# Altium PCB HSADDAModule.PcbDoc (part 4 of 5)
Units mm, origin at the board's own origin, x right, y up, seen from the top; angles counter-clockwise.
Board outline 70 x 95 mm, 6 copper layers (L1 (Sig), L2 (GND), L3 (Sig), L4 (GND), L5 (PWR), L6 (Sig)), stack 1.538 mm thick; 134 components, 217 nets, 999 pads, 792 vias.
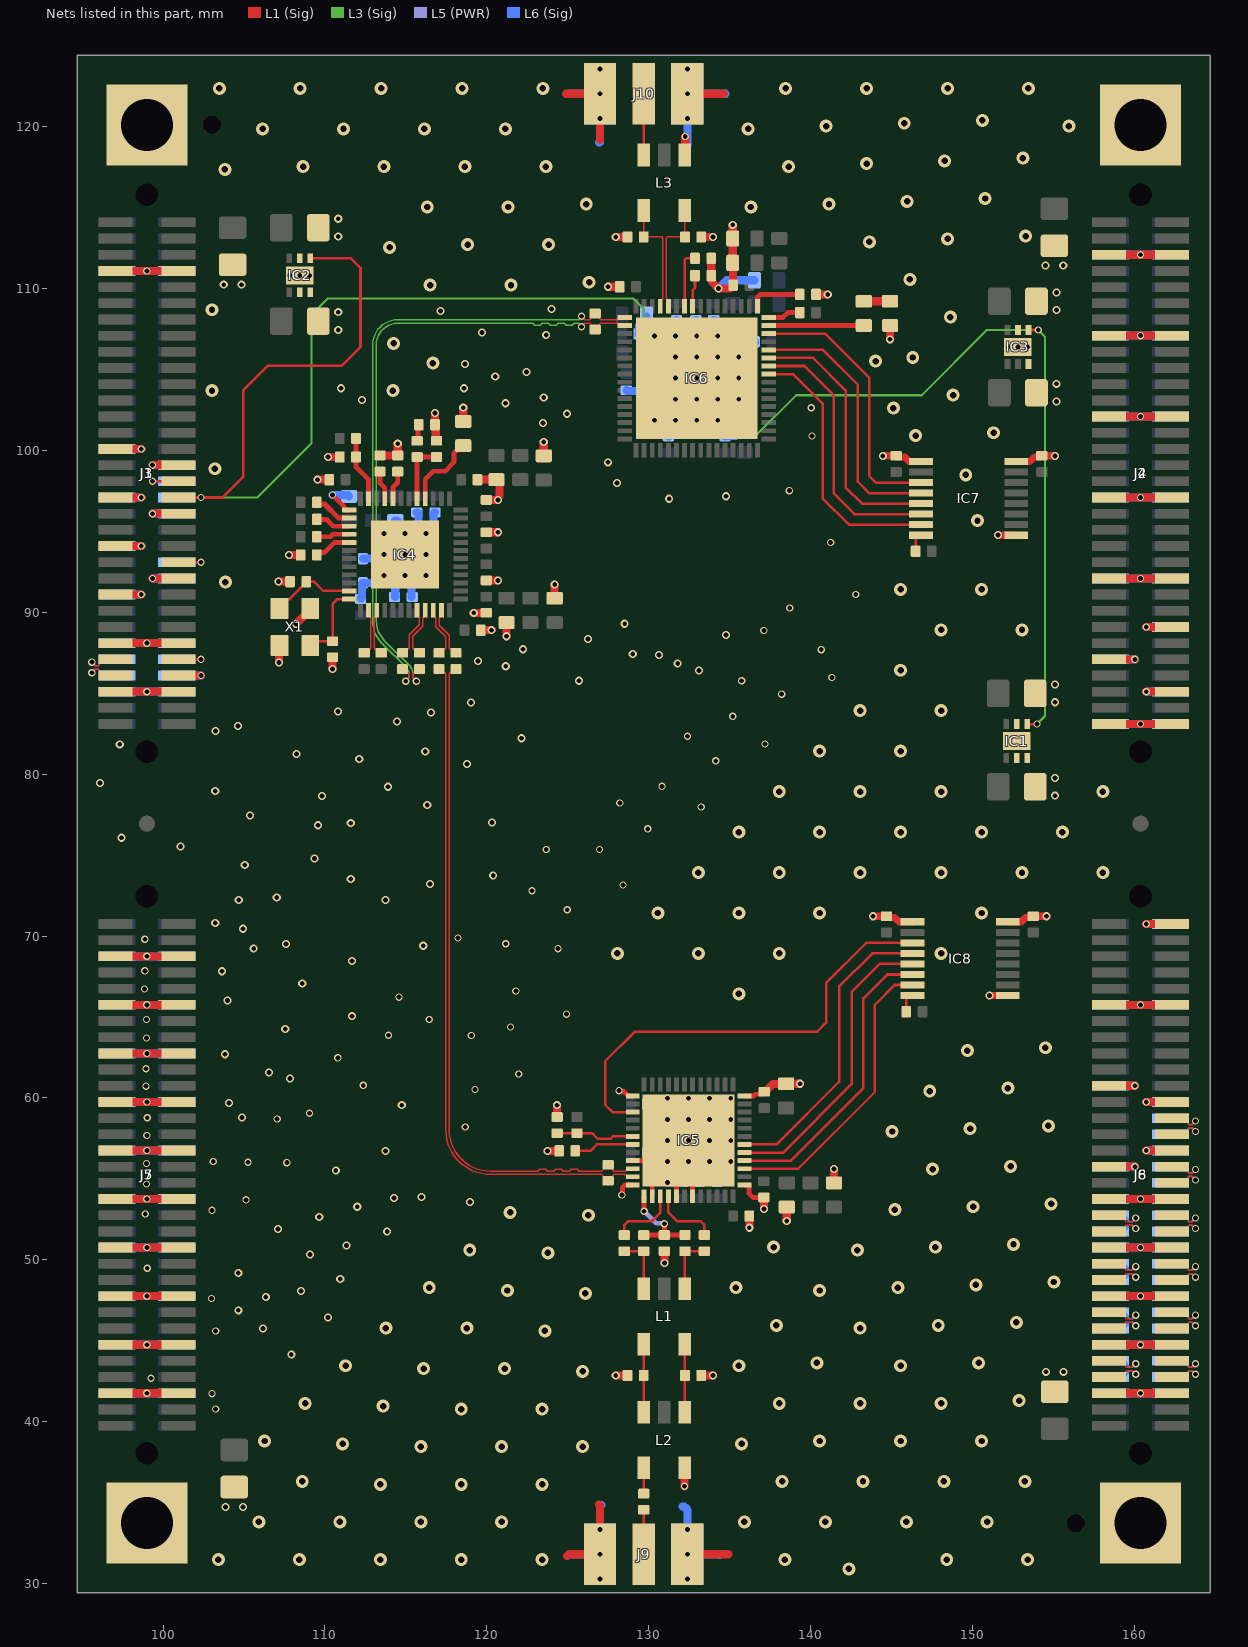
[diagram p8: the nets of this part, all layers, seen from the top]

## Via types
v1: diameter 0.45, hole 0.3, L1 (Sig) to L6 (Sig), tented both sides, 395 vias
v2: diameter 0.5, hole 0.3, L1 (Sig) to L6 (Sig), tented both sides, 219 vias
v3: diameter 0.8, hole 0.4, L1 (Sig) to L6 (Sig), tented both sides, 178 vias

## Nets (pads, with @x,y where several pads share a name; then routed paths per layer and width w, separated by ;. In a path a pad name is that pad's centre, name@x,y a point inside that pad or via, vN(x,y) a via of type N, cw(c..) or ccw(c..) an arc to the next point about the centre after c; other vN are vias at no path point) (continued)
GND: C1.1 C2.1 C3.1 C4.1 C5.1 C6.1 C7.1 C8.1 C9.1 C10.1 C11.2 C12.1 C13.1 C14.1 C21.2 C22.2 C23.2 C24.1 C25.1 C26.2 C27.2 C28.1 C29.1 C30.2 C31.2 C32.2 C33.2 C34.2 C35.2 C36.2 C37.2 C38.1 C39.1 C40.2 C41.2 C42.2 C43.1 C44.2 C45.2 C46.2 C47.2 C48.2 C49.2 C50.2 C51.2 C52.1 C53.1 C54.2 C56.1 C57.1 C58.2 C59.2 C60.2 C61.2 C62.2 C63.2 C64.1 C65.1 C66.2 C67.2 C68.1 C69.2 C70.1 C71.1 C72.2 C73.2 C74.1 C75.2 C76.1 C77.2 D1.K IC1.2 IC1.3 IC1.5 IC1.7 IC2.2 IC2.3 IC2.5 IC2.7 IC3.3 IC3.5 IC3.7 IC4.1 IC4.49 IC5.1 IC5.9 IC5.12 IC5.14 IC5.17 IC5.19 IC5.25 IC5.36 IC5.49 IC6.65 IC7.1 IC7.9 IC7.16 IC8.1 IC8.9 IC8.16 J1.7 J1.8 J1.30 J1.31 J1.36 J1.37 J1.42 J1.45 J1.48 J1.53 J1.54 J1.59 J1.60 J2.5 J2.6 J2.15 J2.16 J2.25 J2.26 J2.35 J2.36 J2.45 J2.46 J2.51 J2.56 J2.59 J2.63 J2.64 J3.7 J3.8 J3.30 J3.31 J3.36 J3.37 J3.42 J3.45 J3.48 J3.53 J3.54 J3.59 J3.60 J4.5 J4.6 J4.15 J4.16 J4.25 J4.26 J4.35 J4.36 J4.45 J4.46 J4.51 J4.56 J4.59 J4.63 J4.64 J5.5 J5.6 J5.11 J5.12 J5.17 J5.18 J5.23 J5.24 J5.29 J5.30 J5.35 J5.36 J5.41 J5.42 J5.47 J5.48 J5.53 J5.54 J5.59 J5.60 J6.1 J6.11 J6.12 J6.22 J6.23 J6.29 J6.32 J6.35 J6.36 J6.41 J6.42 J6.47 J6.48 J6.53 J6.54 J6.59 J6.60 J7.5 J7.6 J7.11 J7.12 J7.17 J7.18 J7.23 J7.24 J7.29 J7.30 J7.35 J7.36 J7.41 J7.42 J7.47 J7.48 J7.53 J7.54 J7.59 J7.60 J8.1 J8.11 J8.12 J8.22 J8.23 J8.29 J8.32 J8.35 J8.36 J8.41 J8.42 J8.47 J8.48 J8.53 J8.54 J8.59 J8.60 J9.2 J10.2 L2.4 L3.3 pad.12 R5.1 R6.1 R8.1 R11.1 R12.1 R14.2 R16.1 R20.2 R21.1 R22.1 R23.1 X1.2 X1.4 | length 373.1
  L1 (Sig) w0.3: v1(110.475,97.25) 111.2,96.525 111.2,96.325 IC4.1@111.5,96.325 ; v1(128.175,60.45) 128.204,60.421 128.454,60.421 128.75,60.125 IC5.1@129.025,60.125 ; v1(128.35,54) 128.379,54.029 128.379,54.449 128.554,54.625 IC5.12@129.025,54.625 ; IC5.9@129.025,56.125 IC5.49@131.225,56.125 ; IC5.14@130.225,53.925 130.225,55.125 v1(131.175,56.075) IC5.49@131.225,56.125 ; IC5.17@131.725,53.925 IC5.49@131.725,56.625 ; IC5.19@132.725,53.925 132.725,57.125 v1(132.475,57.375) IC5.49@131.725,56.625 ; IC5.25@135.925,54.625 136.2,54.625 136.2,54.1 136.45,53.85 C46.2@137.125,53.85 ; IC5.36@135.925,60.125 136.5,60.125 136.6,60.225 137.05,60.225 C45.2@137.2,60.375 ; IC5.49@131.225,56.125 IC5.49@131.725,56.625
  L1 (Sig) w0.45: v2(143.875,71.225) C76.1@144.7,71.225 144.775,71.15 145.2,71.15 145.473,70.877 IC8.1@146.321,70.877 ; v2(144.475,99.675) C74.1@145.3,99.675 145.375,99.6 145.825,99.6 146.1,99.325 IC7.1@146.846,99.325 ; v2(151.075,66.325) 151.077,66.327 IC8.9@152.197,66.327 ; v2(151.6,94.773) 151.602,94.775 IC7.9@152.722,94.775 ; IC8.16@152.197,70.877 153.027,70.877 153.3,71.15 153.7,71.15 C77.2@153.775,71.225 v2(154.6,71.225) ; IC7.16@152.722,99.325 153.575,99.325 153.85,99.6 154.225,99.6 C75.2@154.3,99.675 v2(155.125,99.675)
  L1 (Sig) w0.5: J7.60@97.05,41.75 J7.59@100.95,41.75 ; J7.54@97.05,44.75 J7.53@100.95,44.75 ; J7.48@97.05,47.75 J7.47@100.95,47.75 ; J7.42@97.05,50.75 J7.41@100.95,50.75 ; J7.36@97.05,53.75 J7.35@100.95,53.75 ; J7.30@97.05,56.75 J7.29@100.95,56.75 ; J7.24@97.05,59.75 J7.23@100.95,59.75 ; J7.18@97.05,62.75 J7.17@100.95,62.75 ; J7.12@97.05,65.75 J7.11@100.95,65.75 ; J7.6@97.05,68.75 v1(99,68.75) J7.5@100.95,68.75 ; J3.60@97.05,85.1 J3.59@100.95,85.1 ; J3.54@97.05,88.1 J3.53@100.95,88.1 ; J3.48@97.05,91.1 v1(98.65,91.1) ; J3.42@97.05,94.1 v1(98.65,94.1) ; J3.36@97.05,97.1 v1(98.65,97.1) ; J3.30@97.05,100.1 v1(98.65,100.1) ; J3.8@97.05,111.1 v1(99,111.1) J3.7@100.95,111.1 ; v1(99.35,92.1) J3.45@100.95,92.1 ; v1(99.35,96.1) J3.37@100.95,96.1 ; v1(99.35,99.1) J3.31@100.95,99.1 ; v2(107.125,91.9) C21.2@107.85,91.9 ; v2(107.175,86.9) 107.175,87.925 X1.2@107.2,87.95 ; v2(107.775,93.55) R6.1@108.5,93.55 ; v2(108.225,89.275) 109.1,90.15 X1.4@109.1,90.25 ; v2(109.55,98.2) C42.2@110.275,98.2 ; v2(110.2,99.6) R8.1@110.925,99.6 ; v2(110.475,86.5) C22.2@110.475,87.225 ; R5.1@113.4,99.7 C14.1@114.5,99.7 v2(114.5,100.425) ; v2(116.8,102.325) C12.1@116.8,101.6 116.85,101.55 116.85,100.65 C13.1@116.9,100.6 ; C11.2@118.55,101.8 v2(118.55,102.65) ; v2(119.2,89.975) C36.2@119.975,89.975 ; C23.2@119.425,98.2 C24.1@120.6,98.2 120.65,98.2 120.8,98.05 120.8,97.2 ; C33.2@119.625,88.9 v2(120.3,88.9) ; C37.2@119.975,91.975 v2(120.7,91.975) ; C35.2@119.975,94.95 v2(120.7,94.95) ; C34.2@119.975,96.95 v2(120.7,96.95) ; v2(121.225,88.525) C38.1@121.225,89.375 ; C25.1@123.525,99.675 v2(123.525,100.525) ; v2(123.75,56.725) R12.1@124.475,56.725 ; C39.1@124.2,90.875 v2(124.2,91.725) ; R11.1@124.35,58.825 v2(124.35,59.55) ; 124.9,122.05 v1(127,122.05) ; 124.975,31.7 125.075,31.8 v1(127,31.8) ; 126.95,34.875 127,34.825 v1(127,33.325) ; 127,119.2 v1(127,120.525) ; v2(127.5,110.125) C62.2@128.225,110.125 ; v2(127.975,42.85) R14.2@128.7,42.85 ; v2(127.975,113.2) R20.2@128.7,113.2 ; v2(130.975,49.8) C54.2@130.975,50.525 ; v1(132.225,36) 132.225,37.115 L2.4@132.245,37.135 ; L3.3@132.265,118.284 v1(132.265,119.4) ; v1(132.4,31.8) 134.925,31.8 134.95,31.825 ; v1(132.4,122.05) 134.65,122.05 ; R16.1@133.25,42.85 v2(133.975,42.85) ; R22.1@133.25,113.2 v2(133.975,113.2) ; C73.2@133.875,111.875 133.873,111.873 133.873,110.813 R21.1@133.87,110.811 133.87,110.761 133.92,110.711 133.92,110.43 v2(134.325,110.025) 135.025,110.025 135.125,110.125 135.175,110.125 135.225,110.175 C63.2@135.225,110.225 135.213,110.238 135.213,111.588 C64.1@135.2,111.6 C65.1@135.2,113.1 v2(135.2,113.95) ; v2(136.225,51.975) C50.2@136.225,52.7 ; v2(137.125,53.125) C46.2@137.125,53.85 ; C45.2@137.15,60.375 137.2,60.375 137.675,60.85 138.475,60.85 C43.1@138.5,60.875 v2(139.35,60.875) ; v2(138.541,52.403) C52.1@138.541,53.253 ; R23.1@140.35,109.65 v2(141.075,109.65) ; C53.1@141.458,54.747 v2(141.458,55.597) ; v2(144.925,106.875) D1.K@144.925,107.725 ; J8.60@158.45,41.75 v1(160.4,41.75) J8.59@162.35,41.75 ; J8.54@158.45,44.75 v1(160.4,44.75) J8.53@162.35,44.75 ; J8.48@158.45,47.75 v1(160.4,47.75) J8.47@162.35,47.75 ; J8.42@158.45,50.75 v1(160.4,50.75) J8.41@162.35,50.75 ; J8.36@158.45,53.75 v1(160.4,53.75) J8.35@162.35,53.75 ; J8.32@158.45,55.75 v1(160.05,55.75) ; J8.22@158.45,60.75 v1(160.05,60.75) ; J8.12@158.45,65.75 v1(160.4,65.75) J8.11@162.35,65.75 ; J4.64@158.45,83.1 v1(160.4,83.1) J4.63@162.35,83.1 ; J4.56@158.45,87.1 v1(160.05,87.1) ; J4.46@158.45,92.1 v1(160.4,92.1) J4.45@162.35,92.1 ; J4.36@158.45,97.1 v1(160.4,97.1) J4.35@162.35,97.1 ; J4.26@158.45,102.1 v1(160.4,102.1) J4.25@162.35,102.1 ; J4.16@158.45,107.1 v1(160.4,107.1) J4.15@162.35,107.1 ; J4.6@158.45,112.1 v1(160.4,112.1) J4.5@162.35,112.1 ; v1(160.75,56.75) J8.29@162.35,56.75 ; v1(160.75,59.75) J8.23@162.35,59.75 ; v1(160.75,70.75) J8.1@162.35,70.75 ; v1(160.75,85.1) J4.59@162.35,85.1 ; v1(160.75,89.1) J4.51@162.35,89.1
  L6 (Sig) w0.5: J5.60@97.15,41.75 J5.59@100.85,41.75 ; J5.54@97.15,44.75 J5.53@100.85,44.75 ; J5.48@97.15,47.75 J5.47@100.85,47.75 ; J5.42@97.15,50.75 J5.41@100.85,50.75 ; J5.36@97.15,53.75 J5.35@100.85,53.75 ; J5.30@97.15,56.75 J5.29@100.85,56.75 ; J5.24@97.15,59.75 J5.23@100.85,59.75 ; J5.18@97.15,62.75 J5.17@100.85,62.75 ; J5.12@97.15,65.75 J5.11@100.85,65.75 ; J5.6@97.15,68.75 v1(99,68.75) J5.5@100.85,68.75 ; J1.60@97.15,85.1 v1(99,85.1) J1.59@100.85,85.1 ; J1.54@97.15,88.1 v1(99,88.1) J1.53@100.85,88.1 ; J1.48@97.15,91.1 v1(98.65,91.1) ; J1.42@97.15,94.1 v1(98.65,94.1) ; J1.36@97.15,97.1 v1(98.65,97.1) ; J1.30@97.15,100.1 v1(98.65,100.1) ; J1.8@97.15,111.1 v1(99,111.1) J1.7@100.85,111.1 ; v1(99.35,92.1) J1.45@100.85,92.1 ; v1(99.35,96.1) J1.37@100.85,96.1 ; v1(99.35,99.1) J1.31@100.85,99.1 ; v1(110.475,97.25) 111.425,97.25 C29.1@111.5,97.175 ; C30.2@112.2,90.875 112.25,90.875 112.3,90.925 112.3,91.775 C40.2@112.35,91.825 113.2,91.825 v1(113.65,92.275) ; C41.2@112.35,93.325 113.4,93.325 v1(113.65,93.575) ; C31.2@114.35,90.95 114.35,91.675 v1(114.95,92.275) 115.35,91.875 C32.2@115.35,90.95 ; C28.1@114.35,95.675 114.45,95.675 114.95,95.175 v1(114.95,94.875) ; C26.2@115.675,96.175 115.725,96.175 115.775,96.125 115.775,95.35 v1(116.25,94.875) 116.7,95.325 116.7,96.125 116.75,96.175 C27.2@116.8,96.175 ; 125.15,122.025 cw(c125.175,122.025) 125.175,122.05 v1(127,122.05) ; 125.275,31.8 v1(127,31.8) ; 126.925,119.025 ccw(c126.925,119.1) 127,119.1 v1(127,120.525) ; v1(127,33.325) 127,34.75 cw(c127.1,34.75) 127.1,34.85 ; C72.2@128.625,103.725 128.675,103.675 129.325,103.675 129.775,103.225 C71.1@129.875,103.225 129.975,103.225 130.125,103.075 130.125,102.125 v1(130.375,101.875) ; C70.1@129.875,108.275 129.875,108.175 129.425,107.725 129.425,107.263 C69.2@129.375,107.213 130.237,107.213 v1(130.375,107.075) ; C51.2@129.9,56.625 129.9,56.575 129.95,56.525 130.725,56.525 v1(131.175,56.075) ; C44.2@129.9,59.625 130.825,59.625 v1(131.175,59.975) ; v1(131.175,54.775) C48.2@132.1,54.775 ; C66.2@131.225,100.875 131.275,100.875 131.325,100.925 131.325,101.525 v1(131.675,101.875) ; v1(131.675,107.075) 131.725,107.125 C59.2@131.725,108.075 ; 132.1,34.75 cw(c132.1,34.45) 132.4,34.45 v1(132.4,33.325) ; 132.275,118.775 ccw(c132.275,118.9) 132.4,118.9 v1(132.4,120.525) ; v1(132.4,31.8) 134.35,31.8 cw(c134.35,31.75) 134.4,31.75 ; v1(132.4,122.05) 134.75,122.05 ; C58.2@132.925,108.075 132.925,107.125 v1(132.975,107.075) ; C47.2@133.15,54.8 133.158,54.808 133.158,55.458 v1(133.775,56.075) 134.225,55.625 C49.2@134.225,54.8 ; C60.2@134.025,108.075 134.075,108.075 134.125,108.025 134.125,107.225 v1(134.275,107.075) 134.6,107.075 135.1,107.575 C57.1@135.2,107.575 ; v1(134.275,101.875) 135.35,101.875 C68.1@135.85,101.375 ; v2(134.325,110.025) 134.825,110.525 C56.1@136.55,110.525 ; C67.2@134.725,100.875 134.746,100.896 135.371,100.896 C68.1@135.85,101.375 ; v1(135.575,105.775) 135.675,105.775 136.575,106.675 C61.2@136.575,106.725 ; C68.1@135.95,101.375 C68.1@135.85,101.375 ; J6.60@158.55,41.75 v1(160.4,41.75) J6.59@162.25,41.75 ; J6.54@158.55,44.75 v1(160.4,44.75) J6.53@162.25,44.75 ; J6.48@158.55,47.75 v1(160.4,47.75) J6.47@162.25,47.75 ; J6.42@158.55,50.75 v1(160.4,50.75) J6.41@162.25,50.75 ; J6.36@158.55,53.75 v1(160.4,53.75) J6.35@162.25,53.75 ; J6.32@158.55,55.75 v1(160.05,55.75) ; J6.22@158.55,60.75 v1(160.05,60.75) ; J6.12@158.55,65.75 v1(160.4,65.75) J6.11@162.25,65.75 ; J2.64@158.55,83.1 v1(160.4,83.1) J2.63@162.25,83.1 ; J2.56@158.55,87.1 v1(160.05,87.1) ; J2.46@158.55,92.1 v1(160.4,92.1) J2.45@162.25,92.1 ; J2.36@158.55,97.1 v1(160.4,97.1) J2.35@162.25,97.1 ; J2.26@158.55,102.1 v1(160.4,102.1) J2.25@162.25,102.1 ; J2.16@158.55,107.1 v1(160.4,107.1) J2.15@162.25,107.1 ; J2.6@158.55,112.1 v1(160.4,112.1) J2.5@162.25,112.1 ; v1(160.75,56.75) J6.29@162.25,56.75 ; v1(160.75,59.75) J6.23@162.25,59.75 ; v1(160.75,70.75) J6.1@162.25,70.75 ; v1(160.75,85.1) J2.59@162.25,85.1 ; v1(160.75,89.1) J2.51@162.25,89.1
  other v1: 127,30.275 132.4,30.275 103.25,40.775 103.025,41.725 99,41.75 99.25,42.675 99,44.75 103.25,45.6 103,47.6 99,47.75 99.025,49.475 99,50.75 98.9,52.825 103.025,53.05 105.125,53.7 99,53.75 98.975,54.675 98.975,55.95 107.65,56 105.25,56.025 103.1,56.075 132.475,56.075 135.075,56.075 99,56.75 131.175,57.375 133.775,57.375 135.075,57.375 99,57.675 118.675,58.2 131.175,58.675 132.475,58.675 133.775,58.675 135.075,58.675 107.05,58.7 99.025,58.775 109.05,59.05 99,59.75 132.475,59.975 133.775,59.975 135.075,59.975 119.275,60.525 98.95,60.725 112.373,60.775 121.975,61.475 98.95,61.8 110.8,62.475 99,62.75 98.975,63.7 119.05,63.85 113.925,63.875 121.475,64.375 98.975,64.85 116.45,64.85 124.925,65.175 99,65.75 114.575,66.225 121.8,66.6 98.85,66.725 98.875,67.85 124.4,69.225 121.175,69.525 98.875,69.8 118.225,69.875 124.975,71.625 122.8,72.8 128.425,73.15 123.675,75.35 126.975,75.35 129.95,76.625 133.25,77.975 128.225,78.225 130.825,79.25 134.15,80.825 137.2,81.875 132.4,82.35 135.2,83.575 138.225,84.95 135.75,85.775 141.325,85.975 140.675,87.7 137.125,88.875 138.725,90.275 142.8,91.1 116.25,92.275 114.95,93.575 116.25,93.575 141.25,94.325 113.65,94.875 138.7,97.525 140.1,100.9 132.975,101.875 140.05,102.65 131.675,103.175 132.975,103.175 134.275,103.175 135.575,103.175 131.675,104.475 132.975,104.475 134.275,104.475 135.575,104.475 131.675,105.775 132.975,105.775 134.275,105.775 127,123.575 132.4,123.575
  other v2: 103.85,34.725 104.95,34.725 154.55,43.075 155.65,43.075 107.925,44.15 106.175,45.75 110.2,46.425 104.65,46.875 106.35,47.7 108.525,48.075 110.95,48.8 104.65,49.175 109.075,50.325 111.325,50.875 113.85,51.75 107.1,51.9 109.65,52.65 112,53.275 118.975,53.575 114.275,53.825 115.975,53.875 110.675,55.525 113.75,56.725 104.875,58.8 114.75,59.55 104.075,59.675 107.85,61.2 106.55,61.575 103.825,62.7 107.55,64.25 111.675,65.05 103.975,66.025 108.6,67.075 103.65,67.825 111.675,68.45 105.6,69.225 116.075,69.4 107.6,69.5 104.95,70.45 103.225,70.8 104.675,72.225 113.75,72.225 107.025,72.375 116.5,73.225 111.6,73.525 120.4,73.75 105.05,74.4 109.35,74.8 101.075,75.525 97.425,76.075 109.575,76.85 111.6,76.975 120.325,77.025 105.375,77.45 116.325,78.1 109.825,78.65 155.125,78.675 103.225,78.975 113.9,79.225 96.1,79.45 155.125,79.775 118.775,80.625 112.125,80.95 108.25,81.25 116.2,81.4 97.325,81.85 122.15,82.225 103.25,82.675 104.625,82.975 114.45,83.25 116.55,83.825 110.8,83.875 119.025,84.425 155.125,84.45 155.125,85.55 125.7,85.775 133.125,86.4 121.175,86.675 131.8,86.85 119.45,87 130.65,87.375 129.025,87.425 122.25,87.725 126.25,88.35 134.775,88.6 128.525,89.3 131.275,97.025 134.775,97.175 128.05,98 127.5,99.275 123.475,101.7 124.95,102.275 121.15,102.925 155.2,103.025 112.3,103.125 123.525,103.275 111,103.85 118.6,103.85 155.2,104.125 120.525,104.575 122.45,104.85 118.65,105.35 152.225,106.4 152.825,106.4 153.425,106.4 123.675,107.15 119.717,107.291 110.825,107.45 110.825,108.55 117.15,108.625 155.2,108.675 124,108.75 155.2,109.775 103.75,110.25 104.85,110.25 107.85,110.825 108.45,110.825 109.05,110.825 154.525,111.425 155.625,111.425 110.825,113.225 110.825,114.325
  other v3: 142.375,30.9 103.425,31.475 108.425,31.475 113.425,31.475 118.425,31.475 123.425,31.475 138.425,31.475 148.425,31.475 153.425,31.475 105.925,33.8 110.925,33.8 115.925,33.8 120.925,33.8 135.925,33.8 140.925,33.8 145.925,33.8 150.925,33.8 113.425,36.125 118.425,36.125 123.425,36.125 108.6,36.3 138.25,36.3 143.25,36.3 148.25,36.3 153.25,36.3 115.925,38.45 120.925,38.45 125.925,38.45 111.1,38.625 135.75,38.625 106.275,38.8 140.575,38.8 145.575,38.8 150.575,38.8 118.425,40.775 123.425,40.775 113.6,40.95 108.775,41.125 138.075,41.125 143.075,41.125 148.075,41.125 152.9,41.3 125.925,43.1 116.1,43.275 121.1,43.275 111.275,43.45 135.575,43.45 145.575,43.45 140.4,43.625 150.4,43.625 123.6,45.6 113.775,45.775 118.775,45.775 143.075,45.775 137.9,45.95 147.9,45.95 152.725,46.125 126.1,47.925 121.275,48.1 140.575,48.1 116.45,48.275 135.4,48.275 145.4,48.275 150.225,48.45 155.05,48.625 123.775,50.425 118.95,50.6 142.9,50.6 137.725,50.775 147.725,50.775 152.55,50.95 126.275,52.75 121.45,52.925 145.225,53.1 150.05,53.275 154.875,53.45 147.55,55.6 152.375,55.775 145.05,57.925 149.875,58.1 154.7,58.275 147.375,60.425 152.2,60.6 149.7,62.925 154.525,63.1 135.575,66.425 128.075,68.925 133.075,68.925 138.075,68.925 148.075,68.925 130.575,71.425 135.575,71.425 140.575,71.425 150.575,71.425 133.075,73.925 138.075,73.925 143.075,73.925 148.075,73.925 153.075,73.925 158.075,73.925 135.575,76.425 140.575,76.425 145.575,76.425 150.575,76.425 155.575,76.425 138.075,78.925 143.075,78.925 148.075,78.925 158.075,78.925 140.575,81.425 145.575,81.425 143.075,83.925 148.075,83.925 145.575,86.425 148.075,88.925 153.075,88.925 145.575,91.425 150.575,91.425 103.85,91.875 150.325,95.675 149.6,98.5 103.2,98.875 146.5,100.925 151.325,101.1 145.125,102.625 148.825,103.425 103.025,103.7 114.2,103.7 116.675,105.4 144.025,105.525 146.325,105.75 114.25,106.625 148.65,108.25 103.025,108.7 116.5,110.225 121.5,110.225 126.325,110.4 146.15,110.575 114,112.55 118.825,112.725 123.825,112.725 143.65,112.9 148.475,113.075 153.3,113.25 116.325,115.05 121.325,115.05 136.325,115.05 126.15,115.225 141.15,115.225 145.975,115.4 150.8,115.575 103.825,117.375 108.65,117.55 113.65,117.55 118.65,117.55 123.65,117.55 138.65,117.55 143.475,117.725 148.3,117.9 153.125,118.075 106.15,119.875 111.15,119.875 116.15,119.875 121.15,119.875 136.15,119.875 140.975,120.05 155.975,120.05 145.8,120.225 150.625,120.4 103.475,122.375 108.475,122.375 113.475,122.375 118.475,122.375 123.475,122.375 138.475,122.375 143.475,122.375 148.475,122.375 153.475,122.375
HS_ADC_CLK_C_N: C16.2 IC4.22 | length 3.2
  L1 (Sig) w0.09: IC4.22@116.7,90.125 116.7,89.825 116.845,89.68 116.845,89.111 117.47,88.486 117.47,87.802 117.404,87.736 117.286,87.736 C16.2@117.05,87.5
HS_ADC_CLK_C_P: C15.2 IC4.23 | length 3.2
  L1 (Sig) w0.09: IC4.23@117.2,90.125 117.2,89.825 117.055,89.68 117.055,89.198 117.68,88.573 117.68,87.802 117.746,87.736 117.864,87.736 C15.2@118.1,87.5
HS_ADC_CLK_N: C16.1 IC5.11 R17.1 | length 42.3
  L1 (Sig) w0.09: C16.1@117.05,86.5 117.286,86.264 117.404,86.264 117.47,86.198 117.47,58.02 ccw(c120.22,58.02) 120.22,55.27 127.089,55.27 ; 127.09,55.27 cw(c127.09,55.18) 127.172,55.217 127.225,55.1 R17.1@127.5,54.875 ccw(c127.5,54.928) 127.538,54.891 127.743,55.096 ccw(c127.667,55.172) 127.775,55.172 127.775,55.18 cw(c127.865,55.18) 127.801,55.244 cw(c127.865,55.18) 127.865,55.27 128.502,55.27 cw(c128.502,55.022) 128.677,55.197 ccw(c128.853,55.373) 128.853,55.125 IC5.11@129.025,55.125
HS_ADC_CLK_P: C15.1 IC5.10 R17.2 | length 42.3
  L1 (Sig) w0.09: C15.1@118.1,86.5 117.864,86.264 117.746,86.264 117.68,86.198 117.68,58.02 ccw(c120.22,58.02) 120.22,55.48 123.028,55.48 123.156,55.48 123.209,55.533 123.258,55.583 123.65,55.583 123.699,55.534 123.699,55.529 123.748,55.48 124.14,55.48 124.189,55.529 124.189,55.534 124.238,55.583 124.63,55.583 124.679,55.534 124.679,55.529 124.728,55.48 125.12,55.48 125.169,55.529 125.169,55.534 125.218,55.583 125.61,55.583 125.659,55.534 125.712,55.48 126.247,55.48 126.475,55.48 ; IC5.10@129.025,55.625 128.853,55.625 ccw(c128.853,55.377) 128.677,55.552 cw(c128.502,55.728) 128.502,55.48 127.865,55.48 cw(c127.865,55.57) 127.801,55.506 cw(c127.865,55.57) 127.775,55.57 127.775,55.578 ccw(c127.667,55.578) 127.743,55.654 127.538,55.859 ccw(c127.5,55.822) R17.2@127.5,55.875 127.225,55.65 127.172,55.533 cw(c127.09,55.57) 127.09,55.48 126.562,55.48 ; 126.475,55.48 126.562,55.48 ; 126.475,55.48 126.562,55.48
HS_ADC_DFS: IC5.6 R9.1 R11.2 | length 4.9
  L1 (Sig) w0.157: R11.2@124.35,57.825 R9.1@125.575,57.825 126.5,57.825 126.85,57.475 127.65,57.475 127.8,57.625 IC5.6@129.025,57.625
HS_ADC_IN_N: IC5.16 R18.2 | length 4.2
  L1 (Sig) w0.157: IC5.16@131.225,53.925 131.225,52.925 131.775,52.375 133.225,52.375 133.45,52.15 R18.2@133.45,51.525
HS_ADC_IN_P: IC5.15 R10.2 | length 4.2
  L1 (Sig) w0.157: R10.2@128.5,51.525 128.5,52.15 128.725,52.375 130.175,52.375 130.725,52.925 IC5.15@130.725,53.925
HS_ADC_OE: IC5.7 R12.2 | length 3.7
  L1 (Sig) w0.157: R12.2@125.475,56.725 126.4,56.725 126.8,57.125 IC5.7@129.025,57.125
HS_ADC_OVR: IC5.3 IC8.3 | length 28
  L1 (Sig) w0.157: IC5.3@129.025,59.125 127.775,59.125 127.325,59.575 127.325,62.275 129.15,64.1 140.425,64.1 140.975,64.65 140.975,67.1 143.452,69.577 IC8.3@146.321,69.577
HS_ADC_RESET: IC5.30 IC8.4 | length 18.7
  L1 (Sig) w0.157: IC5.30@135.925,57.125 137.9,57.125 141.775,61 141.775,66.875 143.827,68.927 IC8.4@146.321,68.927
HS_ADC_SCLK: IC5.29 IC8.5 | length 18.6
  L1 (Sig) w0.157: IC5.29@135.925,56.625 138.325,56.625 142.55,60.85 142.55,66.55 144.277,68.277 IC8.5@146.321,68.277
HS_ADC_SDATA: IC5.28 IC8.6 | length 18.4
  L1 (Sig) w0.157: IC5.28@135.925,56.125 138.8,56.125 143.275,60.6 143.275,66.15 144.752,67.627 IC8.6@146.321,67.627
HS_ADC_SEN: IC5.27 IC8.7 | length 18.3
  L1 (Sig) w0.157: IC5.27@135.925,55.625 139.25,55.625 143.975,60.35 143.975,65.75 145.202,66.977 IC8.7@146.321,66.977
HS_ADC_VCM: C54.1 IC5.13 R13.2 R15.1 | length 5.7
  L1 (Sig) w0.3: R13.2@129.7,51.525 C54.1@130.975,51.525 ; v1(129.725,53) IC5.13@129.725,53.925 ; v1(130.975,52.225) C54.1@130.975,51.525 ; R15.1@132.25,51.525 C54.1@130.975,51.525
  L5 (PWR) w0.3: v1(129.725,53) 130.471,52.254 130.946,52.254 v1(130.975,52.225)
HS_DAC_ALARM: IC6.47 R25.1 | length 5.9
  L1 (Sig) w0.3: IC6.47@137.425,107.725 R25.1@143.3,107.725
HS_DAC_BIASJ: IC6.57 R21.2 | length 1.9
  L1 (Sig) w0.157: IC6.57@132.725,108.925 132.725,109.9 132.87,110.045 R21.2@132.87,110.811
HS_DAC_CLK_C_N: C18.2 IC4.21 | length 3.2
  L1 (Sig) w0.09: C18.2@115.85,87.5 115.614,87.736 115.496,87.736 115.43,87.802 115.43,88.518 116.055,89.143 116.055,89.68 116.2,89.825 IC4.21@116.2,90.125
HS_DAC_CLK_C_P: C17.2 IC4.20 | length 3.2
  L1 (Sig) w0.09: C17.2@114.8,87.5 115.036,87.736 115.154,87.736 115.22,87.802 115.22,88.605 115.845,89.23 115.845,89.68 115.7,89.825 IC4.20@115.7,90.125
HS_DAC_CLK_N: C18.1 IC6.2 R19.1 | length 39.9
  L1 (Sig) w0.09: v1(115.65,85.75) 115.43,85.97 115.43,86.198 115.496,86.264 115.614,86.264 C18.1@115.85,86.5 ; v1(125.85,107.65) 126.07,107.87 126.211,107.87 126.373,107.87 126.425,107.817 126.425,107.728 126.678,107.475 R19.1@126.7,107.475 126.722,107.475 126.975,107.728 126.975,107.817 127.027,107.87 127.631,107.87 128.08,107.87 128.225,107.725 IC6.2@128.525,107.725
  L3 (Sig) w0.09: v1(115.65,85.75) 115.65,85.755 115.623,85.782 cw(c116.077,86.235) 115.435,86.235 ccw(c114.793,86.235) 115.247,86.689 113.681,88.256 cw(c114.901,89.476) 113.175,89.476 113.175,106.543 cw(c114.497,106.543) 114.497,107.865 122.304,107.865 122.839,107.865 122.892,107.812 122.892,107.799 122.941,107.75 123.333,107.75 123.382,107.799 123.382,107.816 123.431,107.865 123.823,107.865 123.872,107.816 123.872,107.799 123.921,107.75 124.313,107.75 124.362,107.799 124.362,107.816 124.411,107.865 124.803,107.865 124.852,107.816 124.852,107.799 124.901,107.75 125.293,107.75 125.342,107.799 125.342,107.812 125.394,107.865 125.635,107.865 125.647,107.865 cw(c125.635,107.65) 125.692,107.857 cw(c125.635,107.65) v1(125.85,107.65)